# Altium PCB pcb-acopians-powerspy-monitoring-hw.PcbDoc (part 3 of 3)
Units mm, origin at the board's own origin, x right, y up, seen from the top; angles counter-clockwise.
Board outline 180 x 100 mm, 2 copper layers (Top Layer, Bottom Layer), stack 1.58 mm thick; 248 components, 138 nets, 1134 pads, 0 vias.
Unrouted connection lines stored in the file: 135.
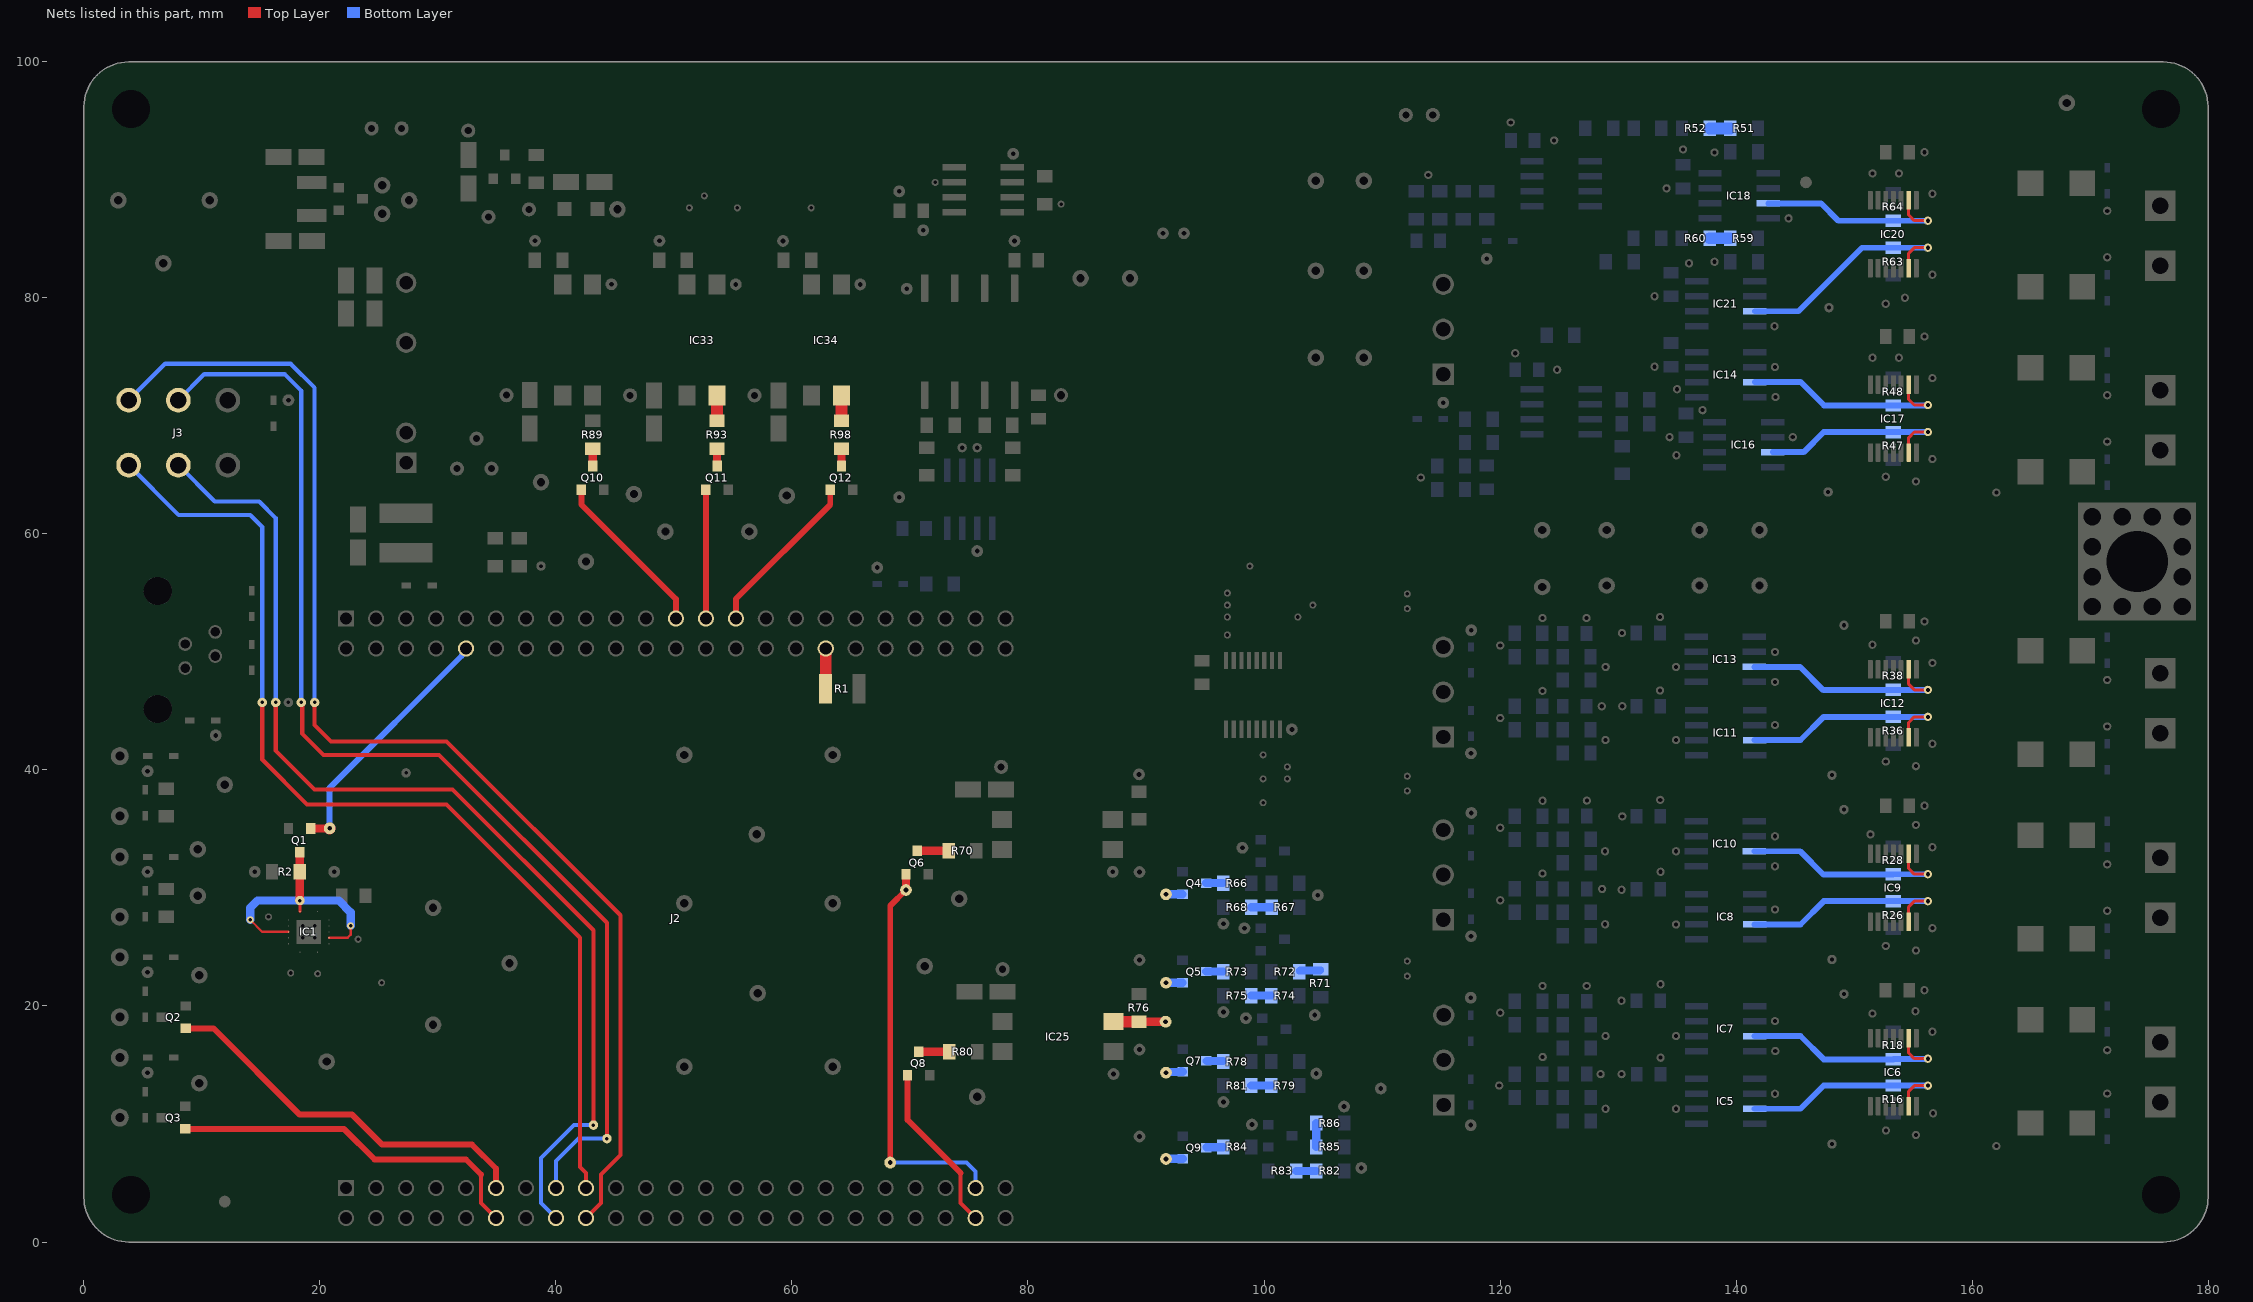
[diagram p3: the nets of this part, all layers, seen from the top]

## Nets (pads, with @x,y where several pads share a name; then routed paths per layer and width w, separated by ;. In a path a pad name is that pad's centre, name@x,y a point inside that pad or via, vN(x,y) a via of type N, cw(c..) or ccw(c..) an arc to the next point about the centre after c; other vN are vias at no path point) (continued)
NetIC33_2: IC33.2 R93.1 | length 2.1
  Top Layer w1: R93.1@53.655,69.58 IC33.2@53.655,71.725
NetIC34_2: IC34.2 R98.1 | length 2.1
  Top Layer w1: R98.1@64.196,69.58 IC34.2@64.196,71.725
NetJ2_11A: J2.11A Q2.1 | length 32.9
  Top Layer w0.5: Q2.1@8.62,18.1 10.983,18.1 18.288,10.795 22.733,10.795 25.273,8.255 32.893,8.255 34.925,6.223 J2.11A@34.925,4.572
NetJ2_12A: J2.12A Q3.1 | length 30.9
  Top Layer w0.35: 33.655,5.715 33.655,3.302 J2.12A@34.925,2.032
  Top Layer w0.5: Q3.1@8.604,9.591 22.032,9.591 24.638,6.985 32.385,6.985 33.655,5.715
NetJ2_15A: J2.15A J3.2 pad.1@18.415,45.72 pad.1@44.323,8.763 | length 99.1
  Top Layer w0.35: pad.1@18.415,45.72 18.501,45.634 18.501,43.094 20.32,41.275 30.099,41.275 44.323,27.051 pad.1@44.323,8.763
  Bottom Layer w0.35: J3.2@8.001,71.33 10.204,73.533 17.018,73.533 18.415,72.136 pad.1@18.415,45.72 ; J2.15A@40.005,4.572 40.005,6.858 41.91,8.763 pad.1@44.323,8.763
NetJ2_16A: J2.16A J3.5 pad.1@16.256,45.72 pad.1@43.18,9.906 | length 90.8
  Top Layer w0.35: pad.1@16.256,45.72 16.256,41.656 19.558,38.354 31.242,38.354 43.18,26.416 pad.1@43.18,9.906
  Bottom Layer w0.35: J3.5@8.001,65.83 11.093,62.738 14.859,62.738 16.256,61.341 pad.1@16.256,45.72 ; J2.16A@40.005,2.032 38.735,3.302 38.735,7.112 41.529,9.906 pad.1@43.18,9.906
NetJ2_17A: J2.17A J3.4 pad.1@15.113,45.72 | length 87.8
  Top Layer w0.35: pad.1@15.113,45.72 15.113,40.894 18.923,37.084 30.734,37.084 42.037,25.781 42.037,6.35 42.545,5.842 J2.17A@42.545,4.572
  Bottom Layer w0.35: J3.4@3.801,65.83 8.036,61.595 14.097,61.595 15.113,60.579 pad.1@15.113,45.72
NetJ2_18A: J2.18A J3.1 pad.1@19.558,45.72 | length 105.9
  Top Layer w0.35: pad.1@19.558,45.72 19.558,43.815 20.955,42.418 30.734,42.418 45.466,27.686 45.466,7.366 43.815,5.715 43.815,3.302 J2.18A@42.545,2.032
  Bottom Layer w0.35: J3.1@3.801,71.33 6.893,74.422 17.526,74.422 19.558,72.39 pad.1@19.558,45.72
NetJ2_23B: J2.23B Q10.1 | length 14.2
  Top Layer w0.5: Q10.1@42.164,63.754 42.164,62.484 50.165,54.483 J2.23B@50.165,52.832
NetJ2_25B: J2.25B Q11.1 | length 10.9
  Top Layer w0.5: J2.25B@52.705,52.832 Q11.1@52.705,63.754
NetJ2_27B: J2.27B Q12.1 | length 14.2
  Top Layer w0.5: J2.27B@55.245,52.832 55.245,54.483 63.246,62.484 Q12.1@63.246,63.754
NetJ2_34B: J2.34B R1.1 | length 3.4
  Top Layer w0.35: R1.1@62.859,46.863 R1.1@62.865,46.869
  Top Layer w1: R1.1@62.865,46.869 J2.34B@62.865,50.292
NetJ2_43A: J2.43A pad.1@68.326,6.731 pad.1@69.662,29.827 Q6.1 | length 34
  Top Layer w0.35: pad.1@69.662,29.827 pad.1@69.723,29.766
  Top Layer w0.5: pad.1@68.326,6.731 68.326,28.491 pad.1@69.662,29.827
  Top Layer w0.7: pad.1@69.662,29.827 Q6.1@69.662,31.147
  Bottom Layer w0.35: pad.1@68.326,6.731 74.803,6.731 75.565,5.969 J2.43A@75.565,4.572
NetJ2_44A: J2.44A Q8.1 | length 14.5
  Top Layer w0.35: 74.295,5.842 74.295,3.302 J2.44A@75.565,2.032
  Top Layer w0.5: Q8.1@69.789,14.129 69.789,10.348 74.295,5.842
NetQ4_3: Q4.3 R66.2 | length 1.5
  Bottom Layer w0.35: R66.2@96.551,30.414 R66.2@96.561,30.404
  Bottom Layer w0.7: Q4.3@95.091,30.414 R66.2@96.551,30.414
NetQ5_3: Q5.3 R73.2 | length 1.5
  Bottom Layer w0.5: Q5.3@95.091,22.921 Q5.3@95.096,22.916 ; R73.2@96.556,22.916 R73.2@96.561,22.911
  Bottom Layer w0.7: Q5.3@95.096,22.916 R73.2@96.556,22.916
NetQ6_3: Q6.3 R70.2 | length 2.7
  Top Layer w0.7: Q6.3@70.612,33.147 R70.2@73.279,33.147
NetQ7_3: Q7.3 R78.2 | length 1.5
  Bottom Layer w0.5: Q7.3@95.107,15.367 Q7.3@95.145,15.329 ; R78.2@96.523,15.329 R78.2@96.561,15.291
  Bottom Layer w0.7: Q7.3@95.145,15.329 R78.2@96.523,15.329
NetQ8_3: Q8.3 R80.2 | length 2.6
  Top Layer w0.7: Q8.3@70.739,16.129 R80.2@73.342,16.129
NetQ9_3: Q9.3 R84.2 | length 1.5
  Bottom Layer w0.5: Q9.3@95.107,8.001 Q9.3@95.132,8.027 ; R84.2@96.535,8.027 R84.2@96.561,8.052
  Bottom Layer w0.7: Q9.3@95.132,8.027 R84.2@96.535,8.027
NetQ10_3: Q10.3 R89.2 | length 1.5
  Top Layer w0.7: Q10.3@43.114,65.754 R89.2@43.114,67.23
NetQ11_3: Q11.3 R93.2 | length 1.5
  Top Layer w0.7: Q11.3@53.655,65.754 R93.2@53.655,67.23
NetQ12_3: Q12.3 R98.2 | length 1.5
  Top Layer w0.7: Q12.3@64.196,65.754 R98.2@64.196,67.23
NetR51_2: R51.2 R52.1 | length 1.7
  Bottom Layer w1: R52.1@137.77,94.361 R51.2@139.509,94.361
NetR59_2: R59.2 R60.1 | length 1.7
  Bottom Layer w1: R60.1@137.753,85.048 R59.2@139.49,85.048
NetR67_1: R67.1 R68.2 | length 1.7
  Bottom Layer w0.7: R68.2@98.911,28.372 R67.1@100.64,28.372
NetR71_2: R71.2 R72.1 | length 1.9
  Bottom Layer w0.5: R72.1@102.975,22.911 R72.1@103.07,23.006 ; R71.2@104.721,23.006 R71.2@104.816,23.102
  Bottom Layer w0.7: R72.1@103.07,23.006 R71.2@104.721,23.006
NetR74_1: R74.1 R75.2 | length 1.7
  Bottom Layer w0.7: R75.2@98.911,20.879 R74.1@100.625,20.879
NetR79_1: R79.1 R81.2 | length 1.7
  Bottom Layer w0.7: R81.2@98.911,13.259 R79.1@100.625,13.259
NetR82_2: R82.2 R83.1 | length 1.7
  Bottom Layer w0.7: R83.1@102.721,6.02 R82.2@104.435,6.02
NetR85_1: R85.1 R86.2 | length 2
  Bottom Layer w0.7: R85.1@104.435,8.052 R86.2@104.435,10.084
nSYS_RESET: J2.10B pad.1@20.828,35.052 Q1.1 | length 21.6
  Top Layer w0.7: Q1.1@19.238,35.036 pad.1@20.812,35.036
  Top Layer w1: pad.1@20.812,35.036 pad.1@20.828,35.052
  Bottom Layer w0.5: pad.1@20.828,35.052 20.828,38.481 31.997,49.65 31.997,49.669 32.385,50.057 J2.10B@32.385,50.292
OUTPUT_CURRENT_N_SPDT_OUTPUT: IC18.3 IC20.9 pad.1@156.251,86.538 R64.2 | length 17.2
  Top Layer w0.254: IC20.9@154.63,88.275 154.63,87.016 155.108,86.538 pad.1@156.251,86.538
  Bottom Layer w0.5: IC18.3@142.723,88.011 147.193,88.011 148.666,86.538 R64.2@153.33,86.538 pad.1@156.251,86.538
OUTPUT_CURRENT_P_SPDT_OUTPUT: IC20.6 IC21.3 pad.1@156.251,84.252 R63.2 | length 20
  Top Layer w0.254: IC20.6@154.63,82.515 154.63,83.774 155.108,84.252 pad.1@156.251,84.252
  Bottom Layer w0.5: IC21.3@141.589,78.867 145.288,78.867 150.673,84.252 R63.2@153.33,84.252 pad.1@156.251,84.252
OUTPUT_VOLTAGE_N_SPDT_OUTPUT: IC14.3 IC17.9 pad.1@156.251,70.917 R48.2 | length 18.6
  Top Layer w0.254: IC17.9@154.63,72.654 154.63,71.395 155.108,70.917 pad.1@156.251,70.917
  Bottom Layer w0.5: IC14.3@141.588,72.868 145.475,72.868 147.444,70.898 R48.2@153.349,70.898 ; R48.2@153.33,70.88 R48.2@153.349,70.898 ; pad.1@156.251,70.917 156.233,70.898 R48.2@153.349,70.898
OUTPUT_VOLTAGE_P_SPDT_OUTPUT: IC16.3 IC17.6 pad.1@156.251,68.631 R47.2 | length 16.9
  Top Layer w0.254: IC17.6@154.63,66.894 154.63,68.153 155.108,68.631 pad.1@156.251,68.631
  Bottom Layer w0.5: IC16.3@143.104,66.929 145.723,66.929 147.425,68.631 R47.2@153.33,68.631 pad.1@156.251,68.631
PS1_IMON_SPDT_OUTPUT: IC6.9 IC7.3 pad.1@156.251,15.533 R18.2 | length 18.6
  Top Layer w0.254: IC6.9@154.63,17.27 154.63,16.011 155.108,15.533 pad.1@156.251,15.533
  Bottom Layer w0.5: IC7.3@141.57,17.45 145.456,17.45 147.425,15.481 R18.2@153.33,15.481 153.356,15.507 156.225,15.507 pad.1@156.251,15.533
PS1_VMON_SPDT_OUTPUT: IC5.3 IC6.6 pad.1@156.251,13.247 R16.2 | length 18.6
  Top Layer w0.254: IC6.6@154.63,11.51 154.63,12.769 155.108,13.247 pad.1@156.251,13.247
  Bottom Layer w0.5: IC5.3@141.57,11.29 145.456,11.29 147.425,13.259 R16.2@153.33,13.259 153.336,13.253 156.245,13.253 pad.1@156.251,13.247
PS2_IMON_SPDT_OUTPUT: IC9.9 IC10.3 pad.1@156.251,31.166 R28.2 | length 18.6
  Top Layer w0.254: IC9.9@154.63,32.903 154.63,31.644 155.108,31.166 pad.1@156.251,31.166
  Bottom Layer w0.5: IC10.3@141.544,33.109 145.43,33.109 147.399,31.14 R28.2@153.304,31.14 ; R28.2@153.33,31.166 pad.1@156.251,31.166
PS2_VMON_SPDT_OUTPUT: IC8.3 IC9.6 pad.1@156.251,28.88 R26.2 | length 18.6
  Top Layer w0.254: IC9.6@154.63,27.143 154.63,28.402 155.108,28.88 pad.1@156.251,28.88
  Bottom Layer w0.5: IC8.3@141.57,26.911 145.456,26.911 147.425,28.88 R26.2@153.33,28.88 pad.1@156.251,28.88
PS3_IMON_SPDT_OUTPUT: IC12.9 IC13.3 pad.1@156.251,46.787 R38.2 | length 18.6
  Top Layer w0.254: IC12.9@154.63,48.524 154.63,47.265 155.108,46.787 pad.1@156.251,46.787
  Bottom Layer w0.5: IC13.3@141.544,48.73 145.43,48.73 147.399,46.761 R38.2@153.304,46.761 ; R38.2@153.33,46.787 pad.1@156.251,46.787
PS3_VMON_SPDT_OUTPUT: IC11.3 IC12.6 pad.1@156.251,44.501 R36.2 | length 18.6
  Top Layer w0.254: IC12.6@154.63,42.764 154.63,44.023 155.108,44.501 pad.1@156.251,44.501
  Bottom Layer w0.5: IC11.3@141.57,42.532 145.456,42.532 147.425,44.501 R36.2@153.33,44.501 pad.1@156.251,44.501
REFERENCE_DISABLE: IC25.4 pad.1@91.659,18.669 pad.1@91.694,7.042 pad.1@91.694,14.351 pad.1@91.694,21.971 pad.1@91.694,29.464 Q4.1 Q5.1 Q7.1 Q9.1 R76.1 | length 10.1
  Top Layer w0.7: R76.1@89.408,18.669 pad.1@91.659,18.669
  Top Layer w1: IC25.4@87.25,18.669 R76.1@89.408,18.669
  Bottom Layer w0.7: pad.1@91.694,7.042 91.698,7.046 93.103,7.046 Q9.1@93.107,7.051 ; pad.1@91.694,14.351 91.751,14.408 92.926,14.408 92.996,14.478 93.057,14.417 Q7.1@93.107,14.417 ; pad.1@91.694,21.971 Q5.1@93.091,21.971 ; pad.1@91.694,29.464 Q4.1@93.091,29.464
SYS_RESET: IC1.1 IC1.4 IC1.10 pad.1@14.097,27.305 pad.1@18.308,28.936 pad.1@22.606,26.797 Q1.3 R2.1 | length 22.2
  Top Layer w0.2: pad.1@14.097,27.305 15.121,26.281 IC1.4@17.333,26.281 ; IC1.10@20.783,25.781 22.352,25.781 22.606,26.035 pad.1@22.606,26.797
  Top Layer w0.254: IC1.1@18.308,28.006 pad.1@18.308,28.936
  Top Layer w0.7: pad.1@18.288,28.956 R2.1@18.288,30.861 ; R2.1@18.288,31.369 Q1.3@18.288,33.036
  Bottom Layer w0.7: pad.1@14.097,27.305 14.097,28.321 14.712,28.936 pad.1@18.308,28.936 21.61,28.936 22.606,27.94 pad.1@22.606,26.797
pads on no net: IC1.11 IC5.1 IC5.5 IC5.8 IC6.7 IC6.8 IC7.1 IC7.5 IC7.8 IC8.1 IC8.5 IC8.8 IC9.7 IC9.8 IC10.1 IC10.5 IC10.8 IC11.1 IC11.5 IC11.8 IC12.7 IC12.8 IC13.1 IC13.5 IC13.8 IC14.1 IC14.5 IC14.8 IC15.1 IC15.5 IC15.8 IC16.1 IC16.5 IC16.8 IC17.7 IC17.8 IC18.1 IC18.5 IC18.8 IC19.1 IC19.5 IC19.8 IC20.7 IC20.8 IC21.1 IC21.5 IC21.8 IC22.3 IC24.3 IC26.3 IC27.3 IC29.1 IC29.5 IC29.8 IC32.1 IC32.5 IC32.8 J2.3A J2.4A J2.5A J2.6A J2.7A J2.7B J2.8A J2.8B J2.9A J2.9B J2.10A J2.11B J2.13A J2.13B J2.14A J2.14B J2.15B J2.16B J2.19A J2.19B J2.20A J2.20B J2.21A J2.21B J2.22A J2.22B J2.23A J2.24A J2.24B J2.25A J2.26A J2.26B J2.27A J2.28A J2.28B J2.29A J2.29B J2.30A J2.30B J2.31A J2.31B J2.32A J2.32B J2.33A J2.33B J2.34A J2.35A J2.35B J2.36A J2.36B J2.37A J2.37B J2.38A J2.38B J2.39A J2.40A J2.41A J2.41B J2.42A J2.42B J4.Un1 J4.Un2

## Polygon pours and split planes (outlines as drawn)
GND_ISO on Top Layer "NONET_L01_P-001" (solid, remove dead copper, pour order 102): 0.381,78.74 0.381,91.186 4.445,91.186 ccw(c4.445,95.504) 8.763,95.504 8.763,99.568 171.577,99.568 171.577,94.107 ccw(c173.736,94.107) 173.736,91.948 179.578,91.948 179.578,8.382 172.085,8.382 172.085,0.635 85.598,0.635 85.598,39.243 93.98,47.625 93.98,76.2 90.678,79.502 33.655,79.502 29.845,75.692 22.733,75.692 19.685,78.74
+12V_ISO on Top Layer "NONET_L01_P-001" (solid, pour order 70): 120.65,96.774 120.65,69.596 121.031,69.215 122.809,69.215 123.19,69.596 123.19,96.774
+12V_ISO on Top Layer "NONET_L01_P-001" (solid, pour order 36): 131.953,96.774 131.953,14.605 132.207,14.351 133.858,14.351 134.112,14.605 134.112,96.774
GND on Top Layer "NONET_L01_P-001" (solid, remove dead copper, pour order 98): 0.127,75.819 16.129,75.819 21.717,70.231 32.639,70.231 35.687,73.279 86.36,73.279 87.63,72.009 87.63,49.911 79.629,41.91 79.629,0.254 0.254,0.254 0.127,0.381
+12V_ISO on Top Layer "NONET_L01_P-001" (solid, pour order 109): 163.586,78.867 152.156,78.867 152.156,76.085 153.299,76.085 153.299,77.851 163.586,77.851
+12V_ISO on Top Layer "NONET_L01_P-001" (solid, pour order 108): 152.273,96.647 152.273,91.948 153.035,91.948 153.035,96.647
+12V_ISO on Top Layer "NONET_L01_P-001" (solid, pour order 107): 163.586,54.864 152.156,54.864 152.156,51.955 153.299,51.955 153.299,53.86 163.586,53.86
+12V_ISO on Top Layer "NONET_L01_P-001" (solid, pour order 106): 163.586,39.243 152.156,39.243 152.156,36.334 153.299,36.334 153.299,38.239 163.586,38.239
+12V_ISO on Top Layer "NONET_L01_P-001" (solid, pour order 105): 163.576,23.622 152.146,23.622 152.146,20.701 153.289,20.701 153.289,22.606 163.576,22.606
+5V_ISO on Top Layer "NONET_L01_P-001" (solid, pour order 95): 90.551,86.36 90.551,84.455 93.218,84.455 93.98,83.693 93.98,49.149 95.504,49.149 95.504,84.963 94.107,86.36
NetD39_2 on Top Layer "NONET_L01_P-001" (solid, pour order 94): 168.91,79.731 168.91,83.033 169.697,83.82 176.403,83.82 176.403,79.731
NetD40_2 on Top Layer "NONET_L01_P-001" (solid, pour order 93): 168.91,90.805 168.91,87.503 169.418,86.995 176.403,86.995 176.403,90.805
NetD34_2 on Top Layer "NONET_L01_P-001" (solid, pour order 92): 168.91,75.184 168.91,71.882 169.418,71.374 176.403,71.374 176.403,75.184
NetD33_2 on Top Layer "NONET_L01_P-001" (solid, pour order 91): 168.91,64.11 168.91,67.412 169.697,68.199 176.403,68.199 176.403,64.11
NetD27_2 on Top Layer "NONET_L01_P-001" (solid, pour order 90): 168.91,40.107 168.91,43.409 169.57,44.069 176.403,44.069 176.403,40.107
NetD28_2 on Top Layer "NONET_L01_P-001" (solid, pour order 89): 168.91,51.181 168.91,47.879 169.545,47.244 176.403,47.244 176.403,51.181
NetD21_2 on Top Layer "NONET_L01_P-001" (solid, pour order 88): 168.91,24.486 168.91,27.788 169.57,28.448 176.403,28.448 176.403,24.486
NetD22_2 on Top Layer "NONET_L01_P-001" (solid, pour order 87): 168.91,35.56 168.91,32.258 169.545,31.623 176.403,31.623 176.403,35.56
NetD15_2 on Top Layer "NONET_L01_P-001" (solid, pour order 86): 168.91,8.865 168.91,12.167 169.697,12.954 176.403,12.954 176.403,8.865
NetD16_2 on Top Layer "NONET_L01_P-001" (solid, pour order 85): 168.91,19.939 168.91,16.637 169.672,15.875 176.403,15.875 176.403,19.939
NetD38_1 on Top Layer "NONET_L01_P-001" (solid, pour order 83): 114.808,82.931 114.808,80.645 118.491,80.645 119.253,81.407 119.253,83.693 115.57,83.693
NetD37_1 on Top Layer "NONET_L01_P-001" (solid, pour order 82): 113.538,73.914 113.538,70.612 114.173,69.977 116.078,69.977 116.84,70.739 116.84,73.914
NetD32_1 on Top Layer "NONET_L01_P-001" (solid, pour order 81): 114.64,49.953 114.64,51.858 115.275,52.493 117.942,52.493 117.942,50.588 117.307,49.953
NetD31_1 on Top Layer "NONET_L01_P-001" (solid, pour order 80): 114.64,43.247 114.64,41.342 115.275,40.707 117.942,40.707 117.942,42.612 117.307,43.247
NetD26_1 on Top Layer "NONET_L01_P-001" (solid, pour order 79): 114.64,34.468 114.64,36.373 115.275,37.008 117.942,37.008 117.942,35.103 117.307,34.468
NetD25_1 on Top Layer "NONET_L01_P-001" (solid, pour order 78): 114.64,27.762 114.64,25.857 115.275,25.222 117.942,25.222 117.942,27.127 117.307,27.762
NetD20_1 on Top Layer "NONET_L01_P-001" (solid, pour order 76): 114.681,18.771 114.681,20.676 115.316,21.311 117.983,21.311 117.983,19.406 117.348,18.771
NetD19_1 on Top Layer "NONET_L01_P-001" (solid, pour order 75): 114.681,12.065 114.681,10.16 115.316,9.525 117.983,9.525 117.983,11.43 117.348,12.065
+12V_ISO on Top Layer "NONET_L01_P-001" (solid, pour order 34): 110.617,96.393 110.617,94.742 111.039,94.32 158.791,94.32 160.782,92.329 160.782,5.207 158.588,3.013 91.856,3.013 90.338,4.531 90.338,9.957 88.011,9.957 88.011,3.013 90.084,0.94 163.246,0.94 165.522,3.216 165.522,93.812 162.56,96.774 110.998,96.774
GND_ISO on Top Layer "NONET_L01_P-001" (solid, pour order 31): 73.914,81.915 68.707,81.915 68.707,79.629 73.914,79.629
+12V_ISO on Top Layer "NONET_L01_P-001" (solid, pour order 15): 22.225,89.027 18.161,89.027 18.161,94.107 18.161,94.869 18.923,95.631 28.448,95.631 28.956,95.123 28.956,91.948 28.448,91.44 23.114,91.44 22.225,90.551
GND_ISO on Top Layer "NONET_L01_P-001" (solid, pour order 29): 32.004,90.297 33.909,90.297 34.163,90.551 35.179,90.551 35.179,86.741 35.179,86.106 34.544,86.106 32.004,86.106
GND_ISO on Top Layer "NONET_L01_P-001" (solid, pour order 28): 42.926,90.424 42.926,86.995 46.355,86.995 47.117,87.757 47.117,90.424
+5V_ISO on Top Layer "NONET_L01_P-001" (solid, pour order 25): 36.163,90.582 36.163,86.646 36.703,86.106 41.37,86.106 41.37,88.423 41.37,90.582
REFERENCE_DISABLE on Top Layer "NONET_L01_P-001" (solid, pour order 21): 91.227,29.845 91.227,6.655 92.751,6.655 92.751,29.845
GND_ISO on Top Layer "NONET_L01_P-001" (solid, pour order 16): 23.114,89.154 23.114,90.053 23.917,90.856 26.457,90.856 27.178,90.135 27.178,86.497 26.457,85.776 23.79,85.776 23.114,86.452 23.114,88.011
+15V_ISO on Top Layer "NONET_L01_P-001" (solid, remove dead copper, pour order 14): 18.288,85.471 18.288,81.534 19.177,80.645 26.035,80.645 28.575,80.645 28.956,80.645 29.718,81.407 29.718,84.709 29.21,85.217 23.368,85.217 22.352,86.233 22.352,87.63 18.288,87.63
+5V on Top Layer "NONET_L01_P-001" (solid, pour order 9): 25.781,59.055 29.845,59.055 30.226,59.436 30.226,69.088 31.115,69.977 35.052,69.977 35.814,69.215 35.814,60.96 35.814,59.182 33.528,59.182 33.528,58.293 32.766,57.531 25.781,57.531
GND on Top Layer "NONET_L01_P-001" (solid, pour order 7): 7.239,42.164 7.239,39.116 6.223,39.116 6.223,37.719 11.811,37.719 11.811,39.624 9.271,42.164
GND_ISO on Bottom Layer "NONET_L01_P-001" (solid, remove dead copper, pour order 100): 0.034,78.792 0.034,91.186 4.572,91.186 ccw(c4.572,95.504) 8.89,95.504 8.89,99.874 171.865,99.874 171.865,93.946 ccw(c173.811,93.946) 173.811,92 179.07,92 179.07,8.128 173.77,8.128 171.357,5.715 171.357,0.433 85.251,0.433 85.251,39.277 93.633,47.659 93.633,76.252 90.331,79.554 33.308,79.554 28.736,74.982 23.148,74.982 19.338,78.792
GND on Bottom Layer "NONET_L01_P-001" (solid, remove dead copper, pour order 97): 0.127,75.819 17.526,75.819 23.368,69.977 30.099,69.977 30.099,71.882 31.369,73.152 86.487,73.152 87.757,71.882 87.757,50.038 79.121,41.402 79.121,0.127 0.127,0.127 0.127,1.016
NetIC28_15 on Bottom Layer "NONET_L01_P-001" (solid, pour order 110): 121.834,11.29 121.834,15.227 119.738,15.227 118.913,14.402 118.913,12.116 119.739,11.29
+5V on Bottom Layer "NONET_L01_P-001" (solid, pour order 20): 31.115,64.008 34.925,64.008 35.814,64.897 35.814,69.088 36.957,70.231 84.074,70.231 85.09,69.215 85.09,51.054 76.464,42.428 76.464,21.834 76.962,21.336 78.486,21.336 78.994,21.844 78.994,41.275 87.63,49.911 87.63,71.755 86.36,73.025 35.306,73.025 30.226,67.945 30.226,64.897
+5V_ISO on Bottom Layer "NONET_L01_P-001" (solid, pour order 27): 36.576,88.138 36.576,84.963 37.084,84.455 94.107,84.455 94.488,84.836 94.488,85.979 94.107,86.36 85.979,86.36 42.274,86.36 39.988,88.646 37.084,88.646
NetIC28_14 on Bottom Layer "NONET_L01_P-001" (solid, pour order 74): 111.95,88.519 115.887,88.519 115.887,90.615 115.062,91.44 112.776,91.44 111.95,90.614
NetIC28_13 on Bottom Layer "NONET_L01_P-001" (solid, pour order 72): 115.189,62.801 115.189,66.738 113.093,66.738 112.268,65.913 112.268,63.627 113.094,62.801
NetIC28_4 on Bottom Layer "NONET_L01_P-001" (solid, pour order 67): 121.92,48.895 121.92,52.197 120.142,52.197 119.253,51.308 119.253,49.784 120.142,48.895
NetIC13_2 on Bottom Layer "NONET_L01_P-001" (solid, pour order 65): 127.107,50.419 127.107,46.762 130.028,46.762 130.028,50.419
NetIC28_2 on Bottom Layer "NONET_L01_P-001" (solid, pour order 63): 121.92,42.431 121.92,46.368 119.824,46.368 118.999,45.543 118.999,43.257 119.825,42.431
NetIC11_2 on Bottom Layer "NONET_L01_P-001" (solid, pour order 62): 127.005,44.196 127.005,40.564 129.926,40.564 129.926,44.196
NetIC28_5 on Bottom Layer "NONET_L01_P-001" (solid, pour order 57): 121.92,33.449 121.92,36.751 120.142,36.751 119.253,35.862 119.253,34.338 120.142,33.449
NetIC10_2 on Bottom Layer "NONET_L01_P-001" (solid, pour order 56): 126.994,34.925 126.994,31.242 129.915,31.242 129.915,34.925
NetIC8_2 on Bottom Layer "NONET_L01_P-001" (solid, pour order 55): 127.006,28.829 127.006,24.95 129.927,24.95 129.927,28.829
NetIC28_1 on Bottom Layer "NONET_L01_P-001" (solid, pour order 54): 121.92,26.987 121.92,30.924 119.824,30.924 118.999,30.099 118.999,27.813 119.825,26.987
NetIC28_12 on Bottom Layer "NONET_L01_P-001" (solid, pour order 52): 121.92,17.78 121.92,21.082 120.142,21.082 119.253,20.193 119.253,18.669 120.142,17.78
NetIC7_2 on Bottom Layer "NONET_L01_P-001" (solid, pour order 51): 127.041,19.419 127.041,15.482 129.962,15.482 129.962,19.419
NetIC5_2 on Bottom Layer "NONET_L01_P-001" (solid, pour order 49): 127.041,13.208 127.041,9.322 129.962,9.322 129.962,13.208
NetIC6_11 on Bottom Layer "NONET_L01_P-001" (solid, pour order 45): 106.213,8.687 106.213,4.877 108.753,4.877 109.134,5.258 109.134,8.306 108.753,8.687
NetIC27_1 on Bottom Layer "NONET_L01_P-001" (solid, pour order 46): 98.339,8.433 98.339,5.385 100.879,5.385 100.879,8.433 99.736,8.433
NetIC6_4 on Bottom Layer "NONET_L01_P-001" (solid, pour order 44): 102.403,15.926 102.403,12.624 104.943,12.624 105.324,13.005 105.324,15.545 104.943,15.926
NetIC20_4 on Bottom Layer "NONET_L01_P-001" (solid, pour order 43): 102.362,21.336 102.362,19.396 103.165,18.593 106.045,18.593 106.045,21.336
NetIC26_1 on Bottom Layer "NONET_L01_P-001" (solid, pour order 42): 98.466,17.45 98.466,14.656 101.133,14.656 101.133,17.45
NetIC24_1 on Bottom Layer "NONET_L01_P-001" (solid, pour order 41): 98.466,25.07 98.466,22.276 101.006,22.276 101.006,25.07
NetIC17_4 on Bottom Layer "NONET_L01_P-001" (solid, pour order 40): 102.53,31.039 102.53,27.737 105.07,27.737 105.451,28.118 105.451,30.658 105.07,31.039
NetIC22_1 on Bottom Layer "NONET_L01_P-001" (solid, pour order 39): 98.466,32.563 98.466,29.769 101.006,29.769 101.006,32.563
+12V_ISO on Bottom Layer "NONET_L01_P-001" (solid, pour order 30): 88.56,39.284 88.56,8.087 89.027,7.62 89.789,7.62 90.338,8.169 90.338,40.005 89.281,40.005
+12V_ISO on Bottom Layer "NONET_L01_P-001" (solid, pour order 18): 23.241,95.377 23.241,93.599 23.749,93.091 34.544,93.091 36.449,93.98 100.33,93.98 115.951,93.98 115.951,95.885 23.749,95.885
+5V on Bottom Layer "NONET_L01_P-001" (solid, pour order 13): 67.945,73.025 67.945,62.865 70.231,62.865 70.231,73.025
NetD43_2 on Bottom Layer "NONET_L01_P-001" (solid, pour order 12): 69.215,57.023 69.215,52.197 71.755,52.197 71.755,57.023

## Keep-outs
Top Layer:
  circle w0.254: c11.938,3.429 r1.545
  circle w0.254: c145.923,89.789 r1.545

## Other copper
Top Layer:
  rectangle net +5V_ISO: 94.742,48.895 96.901,49.657
  pour cut-out: 170.815,99.822 170.815,95.631 ccw(c174.879,95.631) 174.879,91.567 179.832,91.567 179.832,96.139 ccw(c176.149,96.139) 176.149,99.822
  pour cut-out: 64.385,64.643 64.643,64.643 64.643,62.484 64.389,62.484 64.389,64.643 64.387,64.641 cw(c64.386,64.642)
  pour cut-out: 53.715,64.77 54.102,64.77 54.102,62.611 53.714,62.611 53.714,64.769 cw(c53.716,64.769)
  pour cut-out: 43.303,64.643 43.561,64.643 43.561,62.484 43.307,62.484 43.307,64.643 43.305,64.641 cw(c43.304,64.642)
  region net GND_ISO: 99.949,43.942 99.949,42.926 102.362,42.926 ccw(c102.362,43.434) 102.87,43.434 ccw(c102.362,43.434) 102.362,43.942 100.076,43.942
  pour cut-out: 0.254,95.885 0.254,91.186 4.572,91.186 ccw(c4.572,95.504) 8.89,95.504 8.89,99.822 4.191,99.822 ccw(c4.191,95.885)
  pour cut-out: 171.196,8.128 171.196,0.254 176.276,0.254 ccw(c176.276,3.81) 179.832,3.81 179.832,8.128
  pour cut-out: 0.127,8.636 0.127,4.064 ccw(c4.064,4.064) 4.064,0.127 8.89,0.127 8.89,4.826 ccw(c5.08,4.826) 5.08,8.636
  pour cut-out: 74.676,91.694 74.676,86.614 77.724,86.614 77.724,91.694
  pour cut-out: 148.022,80.264 149.352,80.264 149.352,53.415 149.342,53.405 149.28,53.467 148.082,53.467 148.082,80.204
  pour cut-out: 42.083,88.445 42.037,88.399 42.037,86.487 42.926,86.487 42.926,88.392 42.037,88.392
  pour cut-out: 22.606,90.424 22.606,86.233 23.114,86.233 23.114,90.424
  pour cut-out: 17.354,88.542 20.456,88.542 20.456,88.242 17.354,88.242
  pour cut-out: 96.52,44.196 101.6,44.196 101.6,48.641 96.52,48.641
  pour cut-out: 168.402,52.578 176.911,52.578 176.911,51.562 168.402,51.562
  pour cut-out: 179.705,46.863 179.705,52.451 177.038,52.451 177.038,46.863
  pour cut-out: 179.705,86.487 168.275,86.487 168.275,84.074 179.705,84.074
  pour cut-out: 179.578,70.866 168.148,70.866 168.148,68.453 179.578,68.453
  pour cut-out: 179.832,46.863 168.402,46.863 168.402,44.45 179.832,44.45
  pour cut-out: 179.705,31.242 168.275,31.242 168.275,28.829 179.705,28.829
  pour cut-out: 179.705,15.621 168.275,15.621 168.275,13.208 179.705,13.208
  pour cut-out: 165.989,91.488 168.275,91.488 168.275,8.128 165.989,8.128
  pour cut-out: 150.749,87.503 150.749,83.312 155.829,83.312 155.829,87.503
  pour cut-out: 150.749,71.882 150.749,67.691 155.88,67.691 155.88,71.882
  pour cut-out: 150.749,47.752 150.749,43.561 155.88,43.561 155.88,47.752
  pour cut-out: 150.749,32.131 150.749,27.94 155.829,27.94 155.829,32.131
  pour cut-out: 150.749,16.51 150.749,12.319 155.829,12.319 155.829,16.51
  pour cut-out: 0.127,73.279 16.002,73.279 19.304,69.977 32.131,69.977 35.433,73.279 86.36,73.279 87.63,72.009 87.63,49.911 79.629,41.91 79.629,0.127 85.598,0.127 85.598,39.37 93.726,47.498 93.726,76.073 90.17,79.629 33.02,79.629 29.083,75.692 22.352,75.692 18.415,79.629 0.127,79.629
  pour cut-out: 69.639,17.279 69.632,17.272 69.342,17.272 69.342,15.337 69.284,15.279 69.639,15.279
  pour cut-out: 71.12,31.819 71.12,30.411 70.739,30.411 70.739,31.819
  pour cut-out: 71.247,14.833 71.247,13.425 70.866,13.425 70.866,14.833
  pour cut-out: 15.237,70.231 15.237,69.596 16.891,69.596 16.891,70.231 15.367,70.231
  pour cut-out: 72.771,70.485 72.771,73.279 71.755,73.279 71.755,70.485
  pour cut-out: 77.662,65.656 77.662,66.04 79.818,66.04 79.818,65.656
  pour cut-out: 28.575,67.564 29.591,67.564 29.591,63.246 28.575,63.246
  pour cut-out: 18.542,25.019 18.542,22.098 19.05,22.098 19.05,25.019
  pour cut-out: 17.78,34.163 18.415,34.163 18.415,35.687 17.78,35.687
  pour cut-out: 6.604,40.386 7.239,40.386 7.239,41.91 6.604,41.91
  pour cut-out: 3.986,37.361 3.986,36.957 8.001,36.957 8.001,37.361
  pour cut-out: 6.35,31.877 6.985,31.877 6.985,33.401 6.35,33.401
  pour cut-out: 6.488,23.368 7.112,23.368 7.112,24.892 6.488,24.892
  pour cut-out: 4.123,28.956 4.123,28.552 8.138,28.552 8.138,28.956
  pour cut-out: 4.064,20.828 4.064,20.066 6.096,20.066 6.096,20.828
  pour cut-out: 7.77,19.581 7.77,19.2 9.675,19.2 9.675,19.581
  pour cut-out: 6.477,14.859 7.239,14.859 7.239,16.383 6.477,16.383
  pour cut-out: 4.191,12.192 4.191,11.43 6.223,11.43 6.223,12.192
  pour cut-out: 7.683,11.049 7.683,10.668 9.588,10.668 9.588,11.049
  pour cut-out: 9.017,52.197 9.017,49.022 10.414,49.022 10.414,52.197
  pour cut-out: 9.562,43.246 9.562,45.146 10.197,45.146 10.197,43.246
  pour cut-out: 13.147,49.53 15.047,49.53 15.047,48.895 13.147,48.895
  pour cut-out: 13.274,54.737 15.174,54.737 15.174,54.102 13.274,54.102
  pour cut-out: 28.448,57.023 28.448,53.594 29.083,53.594 29.083,57.023
  pour cut-out: 64.008,49.149 65.151,49.149 65.151,44.913 64.008,44.913
  pour cut-out: 33.958,59.182 33.958,57.834 33.909,57.785 37.846,57.785 37.846,59.111 37.775,59.182
  region net +5V: 78.74,72.136 78.74,71.374 81.153,71.374 81.153,72.136 78.867,72.136
  region net +3V3: 19.685,31.369 19.685,27.924 20.529,27.924 20.529,26.781 21.037,26.781 21.037,27.924 21.955,27.924 22.352,28.321 22.352,31.369 21.59,32.131 20.447,32.131
Bottom Layer:
  pour cut-out: 152.228,16.802 152.228,16.502 152.232,16.506 154.48,16.506 154.48,16.76 152.194,16.76
  pour cut-out: 170.815,99.822 170.815,95.631 ccw(c174.752,95.631) 174.752,91.694 179.832,91.694 179.832,96.139 ccw(c176.149,96.139) 176.149,99.822
  pour cut-out: 0.127,95.885 0.127,91.186 4.572,91.186 ccw(c4.572,95.504) 8.89,95.504 8.89,99.822 4.064,99.822 ccw(c4.064,95.885)
  pour cut-out: 0.127,8.636 0.127,3.937 ccw(c3.937,3.937) 3.937,0.127 8.89,0.127 8.89,4.826 ccw(c5.08,4.826) 5.08,8.636
  pour cut-out: 171.196,4.953 171.196,0.249 176.304,0.274 ccw(c176.287,3.819) 179.832,3.819 179.832,8.382 174.625,8.382 ccw(c175.355,4.223)
  region net GND_ISO: 135.763,70.549 135.826,70.612 136.652,70.612 136.906,70.866 137.414,70.866 137.541,70.739 137.541,70.231 137.414,70.104 135.763,70.104 135.763,70.612
  pour cut-out: 67.31,57.785 67.31,54.991 68.961,54.991 68.961,57.785
  pour cut-out: 121.92,22.479 121.92,9.144 127.34,9.144 127.34,22.479
  pour cut-out: 131.953,72.524 131.327,72.524 131.327,70.71 131.327,66.839 131.953,66.839
  pour cut-out: 152.228,87.859 152.228,87.559 152.232,87.563 154.48,87.563 154.48,87.817 152.194,87.817
  pour cut-out: 152.228,83.223 152.228,82.923 152.232,82.927 154.48,82.927 154.48,83.181 152.194,83.181
  pour cut-out: 152.228,72.201 152.228,71.901 152.232,71.905 154.48,71.905 154.48,72.159 152.194,72.159
  pour cut-out: 152.228,67.602 152.228,67.302 152.232,67.306 154.48,67.306 154.48,67.56 152.194,67.56
  pour cut-out: 152.228,48.108 152.228,47.808 152.232,47.812 154.48,47.812 154.48,48.066 152.194,48.066
  pour cut-out: 152.228,43.472 152.228,43.172 152.232,43.176 154.48,43.176 154.48,43.43 152.194,43.43
  pour cut-out: 152.228,32.487 152.228,32.187 152.232,32.191 154.48,32.191 154.48,32.445 152.194,32.445
  pour cut-out: 152.228,27.851 152.228,27.551 152.232,27.555 154.48,27.555 154.48,27.809 152.194,27.809
  pour cut-out: 152.18,12.234 152.18,11.934 152.184,11.938 154.432,11.938 154.432,12.192 152.146,12.192
  pour cut-out: 174.117,86.106 174.117,84.328 177.673,84.328 177.673,86.106
  pour cut-out: 174.117,70.485 174.117,68.707 177.673,68.707 177.673,70.485
  pour cut-out: 174.117,46.482 174.117,44.704 177.673,44.704 177.673,46.482
  pour cut-out: 174.136,30.861 174.136,29.083 177.673,29.083 177.673,30.861
  pour cut-out: 121.92,53.721 121.92,40.259 127,40.259 127,53.721
  pour cut-out: 121.92,38.227 121.92,24.765 127.127,24.765 127.127,38.227
  pour cut-out: 172.237,89.93 172.396,90.088 172.396,90.455 170.581,90.455 170.534,90.408 170.534,89.9
  pour cut-out: 113.749,87.456 113.778,87.485 113.778,87.852 111.963,87.852 111.916,87.805 111.916,87.424
  pour cut-out: 119.911,83.802 120.156,83.802 120.523,83.802 120.523,85.664 119.864,85.664
  pour cut-out: 129.747,82.212 129.776,82.183 130.143,82.183 130.143,83.998 130.096,84.045 129.715,84.045
  pour cut-out: 129.456,66.675 129.456,65.866 131.271,65.866 131.271,66.675
  pour cut-out: 14.351,30.734 14.351,29.718 22.352,29.718 22.352,30.734
  pour cut-out: 135.001,76.962 135.001,76.073 143.256,76.073 143.256,76.962
  pour cut-out: 114.046,71.984 113.538,72.492 113.538,69.023 114.046,69.023
  pour cut-out: 115.856,64.4 115.856,62.885 116.439,62.885 116.459,62.865 116.459,64.389 115.887,64.389
  pour cut-out: 174.117,15.24 174.117,13.462 177.673,13.462 177.673,15.24
  region net +3V3: 5.715,30.988 5.715,30.099 6.604,30.988
  region net +3V3: 5.779,31.686 5.779,32.575 6.667,31.686
  pour cut-out: 72.136,57.023 72.136,54.603 73.025,54.603 73.025,57.023
  pour cut-out: 69.85,62.23 69.85,59.327 70.612,59.327 70.612,62.23
  pour cut-out: 72.568,64.313 72.568,61.57 77.546,61.57 77.546,64.313
  pour cut-out: 137.65,14.478 137.65,9.398 140.571,9.398 140.571,14.478
  pour cut-out: 137.65,20.701 137.65,15.621 140.571,15.621 140.571,20.701
  pour cut-out: 137.65,30.099 137.65,25.019 140.571,25.019 140.571,30.099
  pour cut-out: 137.65,36.322 137.65,31.242 140.571,31.242 140.571,36.322
  pour cut-out: 137.65,45.72 137.65,40.64 140.571,40.64 140.571,45.72
  pour cut-out: 137.65,51.943 137.65,46.863 140.571,46.863 140.571,51.943
  pour cut-out: 139.129,70.104 139.129,65.024 142.049,65.024 142.049,70.104
  pour cut-out: 123.698,72.898 123.698,68.072 126.619,68.072 126.619,72.898
  pour cut-out: 137.668,76.05 137.668,70.97 140.589,70.97 140.589,76.05
  pour cut-out: 137.668,82.042 137.668,76.962 140.589,76.962 140.589,82.042
  pour cut-out: 138.811,91.186 138.811,86.106 141.732,86.106 141.732,91.186
  pour cut-out: 123.698,92.202 123.698,87.122 126.619,87.122 126.619,92.202
  pour cut-out: 0.127,73.279 16.002,73.279 19.304,69.977 32.131,69.977 35.433,73.279 86.36,73.279 87.63,72.009 87.63,49.911 79.629,41.91 79.629,0.127 85.598,0.127 85.598,39.497 93.726,47.625 93.726,76.073 90.17,79.629 33.02,79.629 29.083,75.692 22.352,75.692 18.415,79.629 0.127,79.629

## Silkscreen, mask and mechanical layers (free items; w line width, h text height)
Top Overlay:
  drawing of 1518 lines, arcs and shapes, not listed
  text "Acopians PowerSpy / Monitoring_Board - v1.0" at 127.253,97.843 h1
  text "Mar/2023 - CoP & SEI Collab" at 127.253,95.894 h1
  text "+12V_ISO" at 24.915,95.61 h0.5
  text "FD2" at 141.17,89.481 h0.8
  text "+5V_ISO" at 35.964,85.958 h0.5
  text "Current N" at 164.214,85.837 h1.5
  text "Current P" at 164.214,83.067 h1.5
  text "Display_Output Current" at 119.776,79.986 h1.2
  text "GND_ISO" at 119.894,76.907 h1.3
  text "OUT" at 136.271,75.946 h4.5
  text "To Power Board" at 0.445,75.532 h2
  text "Display_Output Voltage" at 119.776,72.493 h1.2
  text "Voltage N" at 164.214,70.267 h1.5
  text "Voltage P" at 164.214,67.397 h1.5
  text "GND_ISO" at 159.766,56.851 h1.25
  text "SIMAR" at 0.254,55.145 h1.5
  text "Display_IMON" at 119.776,49.729 h1.3
  text "IMON" at 164.214,46.264 h2
  text "GND_ISO" at 119.894,45.919 h1.3
  text "Mux" at 102.308,44.65 h0.8
  text "PS3" at 136.525,43.815 h4.5
  text "VMON" at 164.214,43.47 h2
  text "Switch" at 0.254,42.418 h1.7 r270
  text "Display_VMON" at 119.776,42.109 h1.3
  text "Display_IMON" at 119.776,34.235 h1.3
  text "Reset" at 0.254,33.909 h1.7 r270
  text "IMON" at 164.214,30.643 h2
  text "GND_ISO" at 119.894,30.425 h1.3
  text "PS2" at 136.525,28.321 h4.5
  text "VMON" at 164.214,27.849 h2
  text "Display_VMON" at 119.776,26.615 h1.3
  text "ON_Led" at 0.254,25.4 h1.7 r270
  text "Display_IMON" at 119.776,18.487 h1.3
  text "OFF_Led" at 0.254,16.891 h1.7 r270
  text "IMON" at 164.214,15.022 h2
  text "GND_ISO" at 119.894,14.677 h1.3
  text "PS1" at 136.446,12.7 h4.5
  text "VMON" at 164.214,12.228 h2
  text "Display_VMON" at 119.776,10.867 h1.3
  text "FD1" at 13.823,5.314 h0.8
  text "S/N:" at 156.21,2.19 h2.2
Bottom Overlay:
  lines w0.15: 133.858,86.741 134.747,86.741 135.565,85.923
  lines w0.2: 135.565,85.923 136.578,85.923
Mechanical 1:
  the board outline again, w0.254

## Text inside footprints (layer, text, board x,y; h text height)
IC3: Mechanical 29 "1" at 21.306,90.092 h0.5 r270; Top Overlay "1" at 21.306,90.092 h0.4 r270
IC4: Mechanical 29 "1" at 33.954,89.806 h0.5; Top Overlay "1" at 33.954,89.806 h0.5
IC22: Mechanical 29 "1" at 99.436,31.432 h0.5 r270; Bottom Overlay "1" at 98.933,31.877 h0.5
IC24: Mechanical 29 "1" at 99.436,23.939 h0.5 r270; Bottom Overlay "1" at 98.933,24.384 h0.5
IC26: Mechanical 29 "1" at 99.563,16.319 h0.5 r270; Bottom Overlay "1" at 99.06,16.764 h0.5
IC27: Mechanical 29 "1" at 100.071,7.302 h0.5 r270; Bottom Overlay "1" at 100.076,7.239 h0.5 r270
J2: Top Overlay "2B" at 20.705,49.772 h0.6 r90; Top Overlay "1B" at 20.705,52.372 h0.6 r90; Top Overlay "2A" at 20.705,1.472 h0.6 r90; Top Overlay "1A" at 20.705,4.172 h0.6 r90; Mechanical 13 "1A" at 20.705,4.172 h0.6 r90; Mechanical 13 "2A" at 20.705,1.472 h0.6 r90; Mechanical 13 "1B" at 20.705,52.372 h0.6 r90; Mechanical 13 "2B" at 20.705,49.772 h0.6 r90
J3: Top Overlay "1" at 3.556,74.041 h1; Top Overlay "6" at 11.938,62.484 h1; Mechanical 14 "1" at 0.309,72.162 h1; Mechanical 14 "6" at 11.968,62.38 h1
Q1: Mechanical 29 "1" at 19.988,35.336 h0.5 r180; Top Overlay "1" at 19.988,35.336 h0.5 r180
Q2: Mechanical 29 "1" at 8.92,17.35 h0.5 r90; Top Overlay "1" at 8.92,17.35 h0.5 r90
Q3: Mechanical 29 "1" at 8.904,8.841 h0.5 r90; Top Overlay "1" at 8.904,8.841 h0.5 r90
Q4: Mechanical 29 "1" at 92.791,28.714 h0.5 r270; Bottom Overlay "1" at 93.218,28.194 h0.5
Q5: Mechanical 29 "1" at 92.791,21.221 h0.5 r270; Bottom Overlay "1" at 93.218,20.828 h0.5
Q6: Mechanical 29 "1" at 68.912,30.847 h0.5; Top Overlay "1" at 68.912,30.847 h0.5
Q7: Mechanical 29 "1" at 92.807,13.667 h0.5 r270; Bottom Overlay "1" at 93.218,13.208 h0.5
Q8: Mechanical 29 "1" at 69.039,13.829 h0.5; Top Overlay "1" at 69.039,13.829 h0.5
Q9: Mechanical 29 "1" at 92.807,6.301 h0.5 r270; Bottom Overlay "1" at 93.091,5.842 h0.5
Q10: Mechanical 29 "1" at 41.414,63.454 h0.5; Top Overlay "1" at 41.414,63.454 h0.5
Q11: Mechanical 29 "1" at 51.955,63.454 h0.5; Top Overlay "1" at 51.955,63.454 h0.5
Q12: Mechanical 29 "1" at 62.496,63.454 h0.5; Top Overlay "1" at 62.496,63.454 h0.5